# Altium PCB PCB.PcbDoc
Units mil, origin at the board's own origin, x right, y up, seen from the top; angles counter-clockwise.
Board outline 6000 x 4000 mil, 2 copper layers (Top Layer, Bottom Layer); 35 components, 53 nets, 195 pads, 0 vias.
Unrouted connection lines stored in the file: 126.
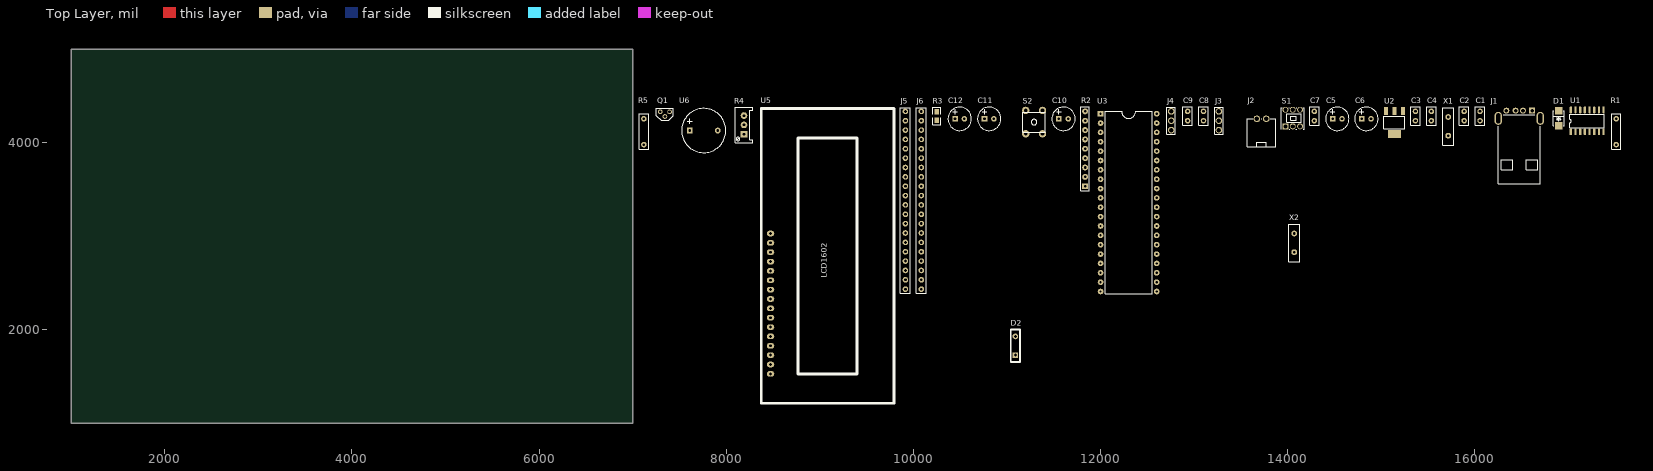
[diagram p0: Top Layer view]
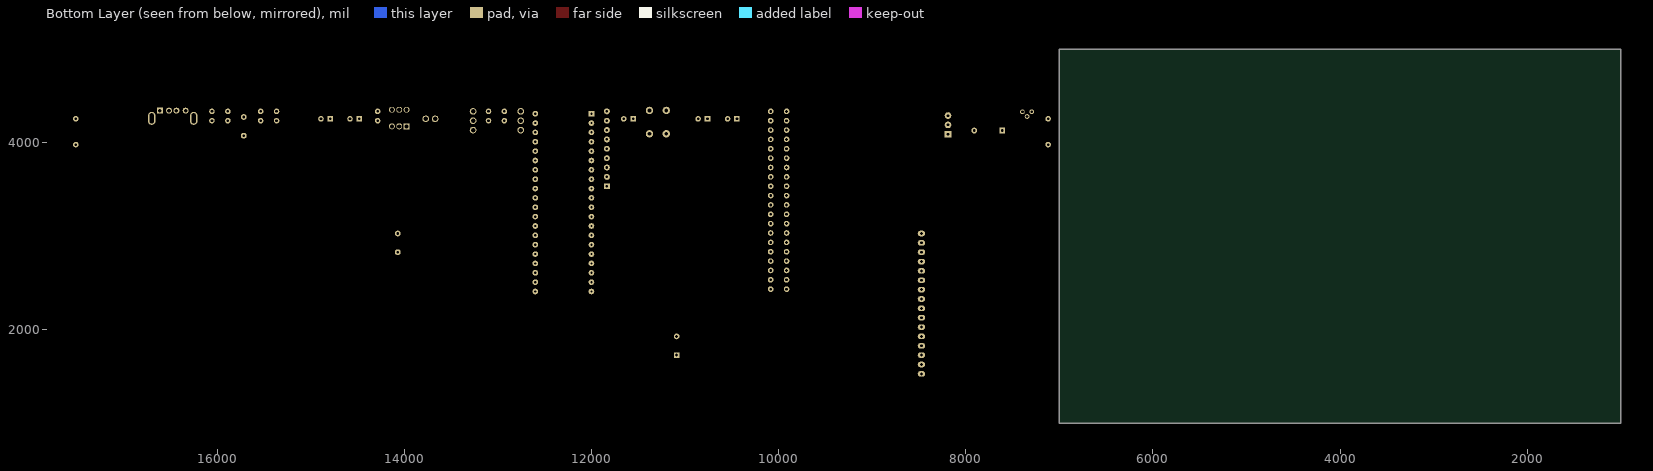
[diagram p1: Bottom Layer view, seen from below]

## Layer stack, top to bottom
Top Solder: solder mask 0.4, Solder Resist, Dk 3.5
Top Layer: signal copper 1.4
Dielectric 1: dielectric 12.6, FR-4, Dk 4.8
Bottom Layer: signal copper 1.4
Bottom Solder: solder mask 0.4, Solder Resist, Dk 3.5

## Board outline
1000,1000 7000,1000 7000,5000 1000,5000

## Design rules (kind name [scope] priority, off if disabled: settings)
Clearance [All] p1: gap=10 ignorepadtopadclearanceinfootprint=FALSE except(0: Arc-Hole Track-Hole SMDPad-Hole THPad-Hole Via-Hole Fill-Hole Poly-Hole Region-Hole Text-Hole)
PolygonConnect [All] p1: connectstyle=Relief reliefconductorwidth=10 reliefentries=4 polygonreliefangle="90 Angle" airgapwidth=10
RoomDefinition 原理图 [InComponentClass('原理图')] p1: confinementstyle=ConfineIn formatcopy=TRUE outline 7045,1065 17595,1065 17595,4495 7045,4495
RoutingVias [All] p1: holewidth=28 width=50 viastyle="Through Hole" minholewidth=28 minwidth=50 maxholewidth=28 maxwidth=50
SolderMaskExpansion [All] p1: expansion=4
Width [All] p1: maxlimit=10 minlimit=10 preferedwidth=10
30 further rules are at their usual default settings.

## Components (designator, comment, footprint, x,y, rotation, side; value= is the part's Value field where it differs from the comment)
C1 "100nf" CAP_C 16055,4235 r90 top
C2 "100nf" CAP_C 15885,4235 r90 top
C3 "20pf" CAP_C 15365,4235 r90 top
C4 "20pf" CAP_C 15535,4235 r90 top
C5 "10uf" CAP_POL 14480,4255 r0 top
C6 "10uf" CAP_POL 14790,4255 r0 top
C7 "20pf" CAP_C 14285,4235 r90 top
C8 "20pf" CAP_C 13100,4235 r90 top
C9 "100nf" CAP_C 12930,4235 r90 top
C10 "10uf" CAP_POL 11555,4255 r0 top
C11 "120uf" CAP_POL 10760,4255 r0 top
C12 "220uf" CAP_POL 10445,4255 r0 top
D1 "SS14" DIODE_ss14 16895,4180 r90 top
D2 "1N5822" DIODE 11090,1730 r90 top
J1 "USB_A" USB_A 16250,4260 r0 top
J2 "XH-3.54_2pin" XH-2.54_2pin 13670,4255 r0 top
J3 "PIN_HEADER_3P" PIN_HEADER_3P 13265,4135 r90 top
J4 "PIN_HEADER_3P" PIN_HEADER_3P 12755,4135 r90 top
J5 "Header_20" HEADER20 9915,4335 r0 top
J6 "Header_20" HEADER20 10085,4335 r0 top
Q1 "PNP" PNP 7295,4330 r0 top
R1 "10K" RES 17510,3980 r90 top
R2 "10K" "R SIP9-2.54" 11835,3935 r90 top
R3 "10K" 0805 10250,4240 r90 top
R4 "10K" 3296W滑变 8190,4190 r90 top
R5 "12K" RES 7120,3980 r90 top
S1 "SW_latching" SW_latching 13975,4175 r0 top
S2 "SW_PB" KEY66 11290,4220 r0 top
U1 "CH340G" CH340G 17025,4350 r0 top
U2 "AMS1117" AMS1117 15140,4095 r90 top
U3 "89C52" DIP-40-插座 12000,4310 r0 top
U5 "LCD1602" 1602LCD 8375,1215 r90 top
U6 "BUZZER" buzzer 7760,4130 r0 top
X1 "12M" XTAL1 15715,4075 r90 top
X2 "11.0592M" XTAL1 14070,2829.96 r90 top

## Footprints (in the part's own frame and the unit in brackets; to place one, negate y for a bottom-side part, rotate by r counter-clockwise, add the part's x,y. Pads: shape width x height; smd on the part's side, far side on the other; paste and mask are expansions set on the pad)
0805 [mil]
  rect 60x50 smd: 1(0,0) 2(90,0)
  silkscreen extent -50,-45 140,45, body extent 6,-26 84,26, height 29
1602LCD [mil] "LCD module 16*2 char"
  oval 60x80 hole 30: 1(314.96,-98.43) 2(414.96,-98.43) 3(514.96,-98.43) 4(614.96,-98.43) 5(714.96,-98.43) 6(814.96,-98.43) 7(914.96,-98.43) 8(1014.96,-98.43) 9(1114.96,-98.43) 10(1214.96,-98.43) 11(1314.96,-98.43) 12(1414.96,-98.43) 13(1514.96,-98.43) 14(1614.96,-98.43) 15(1714.96,-98.43) 16(1814.96,-98.43)
  silkscreen extent 0,-1417 3150,0, body extent -145,-1407 3175,10, height 435
3296W滑变 [mm] "Precise Multi-Winding Adjustable Resistor"
  rect 1.8x1.8 hole 0.7: 1(-2.54,0)
  round 1.8 hole 0.7: 2(0,0) 3(2.54,0)
  silkscreen extent -4.8,-2.4 4.8,2.4, body extent -4.75,-2.4 4.75,2.4, height 11.52
AMS1117 [mm]
  rect 2.2x1.1 smd: 1(6.198,-2.3) 2(6.198,0) 3(6.198,2.3)
  rect 2.2x3.5 smd: 4(0,0)
  silkscreen extent 1.4,-2.79 4.83,2.92
buzzer [mm]
  rect 1.6x1.6 hole 0.8: 1(-3.8,0)
  round 1.6 hole 0.8: 2(3.8,0)
  silkscreen extent -6,-6 6,6, body extent -6.86,-7.1 6.83,6.59, height 7.59
CAP_C [mm]
  round 1.5 hole 0.7: 1(0,0) 2(2.54,0)
  silkscreen extent -1.27,-1.27 3.81,1.27
CAP_POL [mm]
  rect 1.5x1.5 hole 0.7: 1(0,0)
  round 1.5 hole 0.7: 2(2.54,0)
  silkscreen extent -1.91,-3.18 4.45,3.18, body extent -1.88,-2.9 4.43,3.4, height 7.04
CH340G [mm]
  rrect50% 0.6x1.8 smd: 1(0,-5.944) 2(1.27,-5.944) 3(2.54,-5.944) 4(3.81,-5.944) 5(5.08,-5.944) 6(6.35,-5.944) 7(7.62,-5.944) 8(8.89,-5.944) 9(8.89,0) 10(7.62,0) 11(6.35,0) 12(5.08,0) 13(3.81,0) 14(2.54,0) 15(1.27,0) 16(0,0)
  silkscreen extent -0.25,-4.83 9.02,-1.14
DIODE [mm]
  rect 1.54x1.54 hole 0.762: 1(0,0)
  round 1.54 hole 0.762: 2(5.08,0)
  silkscreen extent -1.91,-1.27 6.98,1.27
DIODE_ss14 [mm]
  rect 2x2 smd: 1(0,0) 2(4.115,0)
  silkscreen extent 0,-1.52 4.06,1.52
DIP-40-插座 [mil]
  rect 60x60 hole 25: 1(0,0)
  round 60 hole 25: 2(0,-100) 3(0,-200) 4(0,-300) 5(0,-400) 6(0,-500) 7(0,-600) 8(0,-700) 9(0,-800) 10(0,-900) 11(0,-1000) 12(0,-1100) 13(0,-1200) 14(0,-1300) 15(0,-1400) 16(0,-1500) 17(0,-1600) 18(0,-1700) 19(0,-1800) 20(0,-1900) 21(600,-1900) 22(600,-1800) 23(600,-1700) 24(600,-1600) 25(600,-1500) 26(600,-1400) 27(600,-1300) 28(600,-1200) 29(600,-1100) 30(600,-1000) 31(600,-900) 32(600,-800) 33(600,-700) 34(600,-600) 35(600,-500) 36(600,-400) 37(600,-300) 38(600,-200) 39(600,-100) 40(600,0)
  silkscreen extent 50,-1925 550,25, body extent -45,-1979 652,79, height 315
HEADER20 [mil]
  round 60 hole 30: 1(0,0) 2(0,-100) 3(0,-200) 4(0,-300) 5(0,-400) 6(0,-500) 7(0,-600) 8(0,-700) 9(0,-800) 10(0,-900) 11(0,-1000) 12(0,-1100) 13(0,-1200) 14(0,-1300) 15(0,-1400) 16(0,-1500) 17(0,-1600) 18(0,-1700) 19(0,-1800) 20(0,-1900)
  silkscreen extent -55,-1945 50,40, body extent -50,-1950 50,50, height 455
KEY66 [mil]
  round 78.74 hole 40: 1(-90,125) 2(90,125) 3(-90,-125) 4(90,-125)
  silkscreen extent -120,-110 120,105, body extent -122,-156 122,156, height 157
PIN_HEADER_3P [mm]
  round 1.8 hole 1.2: 1(0,0) 2(2.54,0) 3(5.08,0)
  silkscreen extent -1.14,-1.14 6.22,1.14, body extent -1.27,-1.27 6.35,1.27, height 8.05
PNP [mil]
  round 50 hole 30: 1(100,0) 2(50,-50) 3(0,0)
  silkscreen extent -40,-90 140,40, body extent -44,-84 144,59, height 190
"R SIP9-2.54" [mm] "22.6mm*5mm*2.2mm(长*宽*厚)"
  rect 1.6x1.6 hole 0.7: 1(-10.16,0)
  round 1.6 hole 0.7: 2(-7.62,0) 3(-5.08,0) 4(-2.54,0) 5(0,0) 6(2.54,0) 7(5.08,0) 8(7.62,0) 9(10.16,0)
  silkscreen extent -11.43,-1.14 11.43,1.14, body extent -11.31,-0.96 11.31,0.96, height 5.2
RES [mm]
  round 1.5 hole 0.7: 1(0,0) 2(7,0)
  silkscreen extent -1.27,-1.27 8.38,1.27, body extent -3.04,-2 10.41,1.75, height 6.84
SW_latching [mm]
  rect 1.6x1.6 hole 1.1: 1(0,0)
  round 1.6 hole 1.1: 2(2,0) 3(4,0) 4(0,4.5) 5(2,4.5) 6(4,4.5)
  silkscreen extent -1.14,-0.76 5.08,5.08
USB_A [mm]
  rect 1.6x1.6 hole 1: 1(9.2,2.1)
  round 1.6 hole 1: 2(6.7,2.1) 3(4.7,2.1) 4(2.2,2.1)
  oval 2x3.5 hole 1.2 slot 2.7 at 90 deg: 5(0,0) 6(11.4,0)
  silkscreen extent 0,-17.78 11.4,1.02, body extent -2.26,-10.94 13.44,3.21, height 7.76
XH-2.54_2pin [mm]
  round 1.8 hole 1.2: 1(0,0) 2(2.54,0)
  silkscreen extent -2.54,-7.62 5.08,0, body extent -2.43,-3.68 5.17,3.43, height 11.5
XTAL1 [mil]
  round 62 hole 28: 1(0,0) 2(200,0)
  silkscreen extent -100,-60 300,60, body extent -110,-60 310,60, height 122

## Part data
C1 C2 C3 C4 C7 C8 C9: library part CAP_C, "Capacitor"
C5 C6 C10 C11 C12: library part CAP_POL, "Capacitor"
D1: library part DIODE_ss14
D2: library part DIODE, "Diode"
J5 J6: library part Header20
Q1: "PNP Transistor"
R1 R5: library part RES
R2: library part R排阻
R3: library part RES_1
R4: library part "RESISTOR TAPPED"
S2: library part SW-PB
U6: "Buzzer"
X1 X2: library part XPAL_2P

## Nets (pads, with @x,y where several pads share a name; then routed paths per layer and width w, separated by ;. In a path a pad name is that pad's centre, name@x,y a point inside that pad or via, vN(x,y) a via of type N, cw(c..) or ccw(c..) an arc to the next point about the centre after c; other vN are vias at no path point)
+3.3V: C5.1 J3.1 U2.2 U2.4
+5V: C6.1 C10.1 C11.1 J3.2 J4.2 J6.1 J6.10 R2.9 S2.2 U2.3 U3.31 U3.40 U5.2 U5.15
ALE/P\R\O\G\: J6.11 U3.30
GND: C1.2 C2.2 C3.2 C4.2 C5.2 C6.2 C7.1 C8.1 C9.2 C11.2 C12.2 D2.1 J1.4 J1.5 J2.1 J3.3 J4.3 J5.20 Q1.3 R3.1 R4.3 U1.1 U2.1 U3.20 U5.1 U5.16
NetC2_1: C2.1 U1.4
NetC3_1: C3.1 U1.7
NetC4_1: C4.1 U1.8
NetD1_2: D1.2 U1.2
NetD2_2: D2.2
NetJ2_2: J2.2 S1.2 S1.5
NetQ1_1: Q1.1 U6.2
NetQ1_2: Q1.2 R5.2
NetR4_1: R4.1 R4.2 U5.3
P0.0: J6.2 R2.1 U3.39 U5.7
P0.1: J6.3 R2.2 U3.38 U5.8
P0.2: J6.4 R2.3 U3.37 U5.9
P0.3: J6.5 R2.4 U3.36 U5.10
P0.4: J6.6 R2.5 U3.35 U5.11
P0.5: J6.7 R2.6 U3.34 U5.12
P0.6: J6.8 R2.7 U3.33 U5.13
P0.7: J6.9 R2.8 U3.32 U5.14
P1.0: J5.1 U3.1 U5.4
P1.1: J5.2 U3.2 U5.5
P1.2: J4.1 J5.3 U3.3
P1.3: J5.4 R5.1 U3.4
P1.4: J5.5 U3.5
P1.5: J5.6 U3.6
P1.6: J5.7 U3.7
P1.7: J5.8 U3.8
P2.0: J6.20 U3.21
P2.1: J6.19 U3.22
P2.2: J6.18 U3.23
P2.3: J6.17 U3.24
P2.4: J6.16 U3.25
P2.5: J6.15 U3.26 U5.6
P2.6: J6.14 U3.27
P2.7: J6.13 U3.28
P3.0: D1.1 J5.10 R1.1 U3.10
P3.1: J5.11 U1.3 U3.11
P3.2: J5.12 U3.12
P3.3: J5.13 U3.13
P3.4: J5.14 U3.14
P3.5: J5.15 U3.15
P3.6: J5.16 U3.16
P3.7: J5.17 U3.17
P\S\E\N\: J6.12 U3.29
RST: C10.2 J5.9 R3.2 S2.1 U3.9
UD+: J1.3 U1.5
UD-: J1.2 U1.6
VCC: C9.1 C12.1 S1.3 S1.6 U6.1
VCC-5V: C1.1 J1.1 R1.2 U1.16
XTAL1: C7.2 J5.19 U3.19
XTAL2: C8.2 J5.18 U3.18
pads on no net: J1.6 S1.1 S1.4 S2.3 S2.4 U1.9 U1.10 U1.11 U1.12 U1.13 U1.14 U1.15 X1.1 X1.2 X2.1 X2.2